# KiCad board GPDI_ULX3S_panel.kicad_pcb (continued)
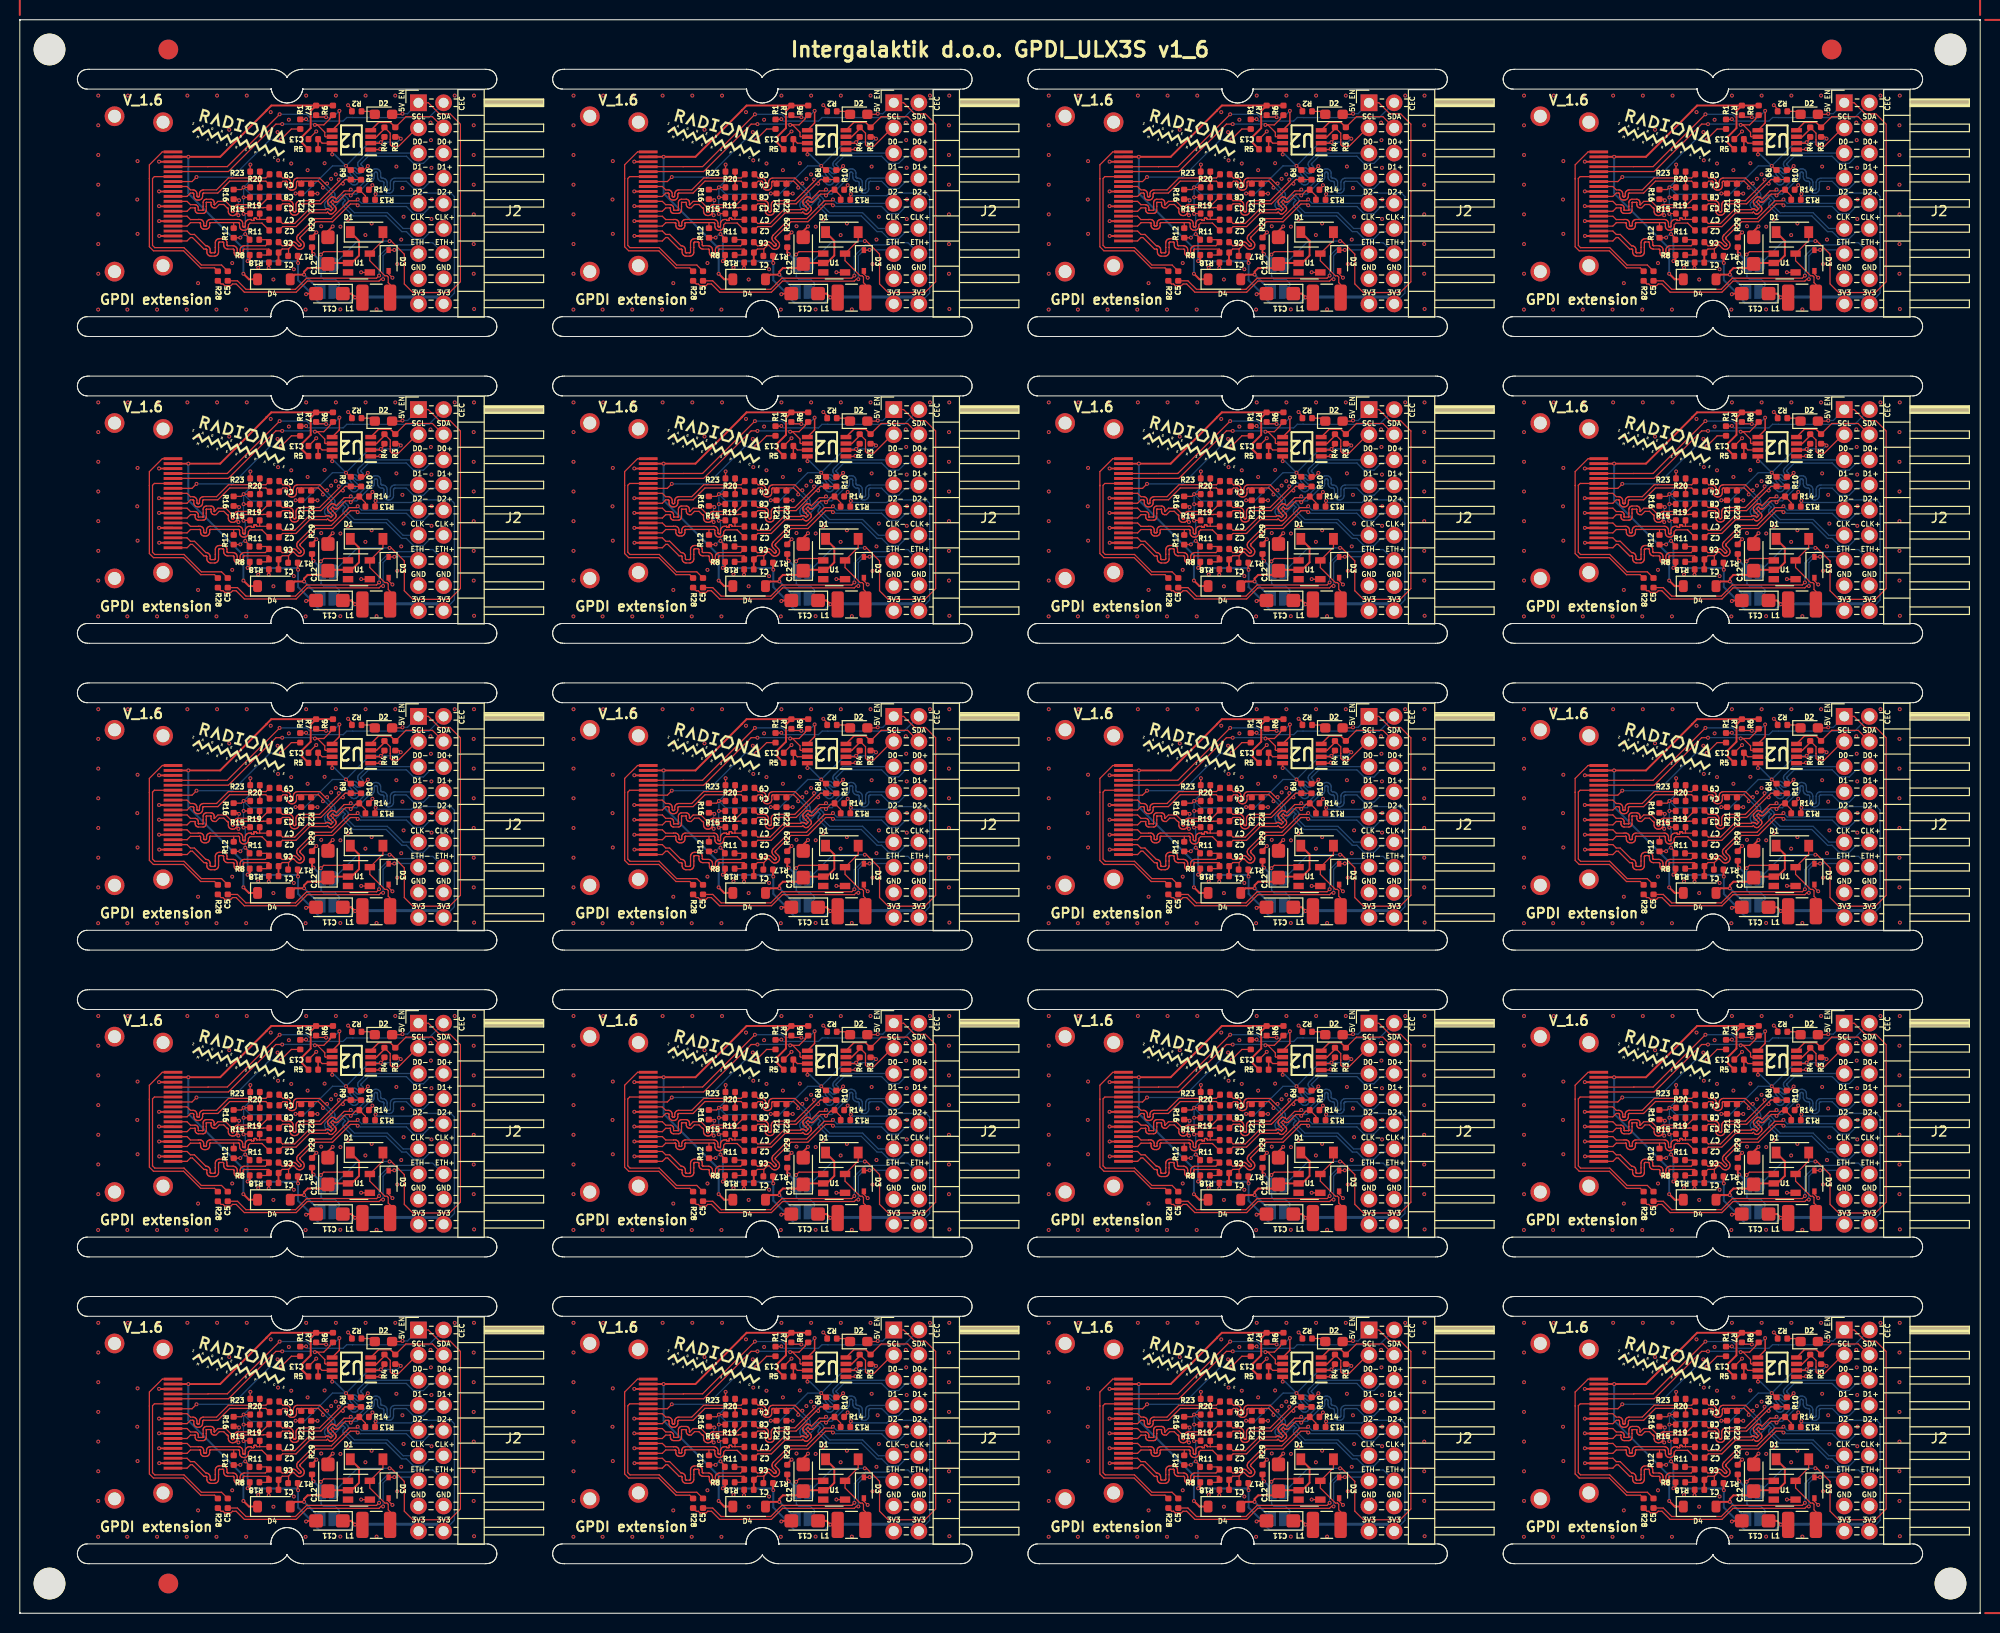
[diagram p0: board, top side]
## Routing (per net, layer and track width the routed paths; a pad name or vN(x,y) marks a point on that pad's centre or on a via; arc(x,y) is an arc through that point) (continued)
Board_5-GPDI_D1-: length 21
  Top w0.127: C7#4.1 74.54,109.42 75.77,109.42 77.16,110.81 78.86,110.81 78.87,110.82 78.92,110.86 78.98,110.89 79.05,110.91 79.12,110.91 79.18,110.89 79.24,110.86 79.3,110.82 79.42,110.7 79.62,110.9 79.4,111.12 79.41,111.13 79.17,111.37 79.13,111.42 79.1,111.48 79.08,111.55 79.08,111.62 79.1,111.68 79.13,111.74 79.17,111.79 79.39,112.02 79.45,112.06 79.51,112.09 79.57,112.11 79.64,112.11 79.71,112.09 79.77,112.06 79.82,112.02 79.94,111.89 80.76,112.71 81.29,112.71 v1(81.42,112.85)
  Bottom w0.127: 88.26,114 85.88,114 85.78,113.98 85.68,113.95 85.6,113.9 85.53,113.82 85.47,113.74 85.44,113.64 85.43,113.54 85.43,112.97 85.42,112.93 85.41,112.89 85.39,112.86 85.36,112.84 85.33,112.82 85.3,112.8 85.26,112.8 85.22,112.8 85.19,112.82 85.16,112.84 85.13,112.86 85.11,112.89 85.1,112.93 85.1,112.97 85.1,113.54 85.08,113.64 85.05,113.74 85,113.82 84.92,113.9 84.84,113.95 84.74,113.98 84.64,114 84.61,114 84.57,114 84.54,114.01 84.51,114.03 84.48,114.06 84.46,114.09 84.45,114.12 84.45,114.16 84.45,114.48 84.43,114.58 84.4,114.68 84.35,114.77 84.27,114.84 84.19,114.89 84.09,114.93 83.99,114.94 83.93,114.94 83.83,114.93 83.73,114.89 83.65,114.84 83.58,114.77 83.52,114.68 83.49,114.58 83.48,114.48 83.48,114.16 83.47,114.12 83.46,114.09 83.44,114.06 83.41,114.03 83.38,114.01 83.35,114 83.31,114 83.18,114 81.89,112.71 81.56,112.71 v1(81.42,112.85)
Board_5-GPDI_D2+: length 22.7
  Top w0.127: R17#19.2 75.14,106.19 75.14,106.84 ; v1(82.12,111.25) 81.99,111.39 81.39,111.39 79.59,109.59 77.89,109.59 76.34,108.04 76.32,108.01 76.3,107.98 76.3,107.95 76.3,107.92 76.3,107.89 76.32,107.86 76.34,107.84 76.6,107.57 76.67,107.49 76.71,107.41 76.73,107.31 76.73,107.21 76.71,107.12 76.67,107.03 76.6,106.96 76.57,106.92 76.49,106.86 76.4,106.82 76.31,106.79 76.21,106.79 76.12,106.82 76.03,106.86 75.96,106.92 75.69,107.19 75.66,107.21 75.63,107.22 75.6,107.23 75.57,107.23 75.54,107.22 75.51,107.21 75.49,107.19 75.14,106.84 ; 75.14,106.84 74.5,106.84 C1#7.1
  Top w0.2: C1#7.1 74.13,106.47 R18#3.1
  Bottom w0.127: J2#6.10 90.48,111.14 89.48,111.14 88.76,110.41 87.76,110.41 87.04,111.14 82.38,111.14 82.27,111.25 v1(82.12,111.25)
Board_5-GPDI_D2-: length 17.8
  Top w0.127: v1(82.12,111.85) 81.99,111.71 81.26,111.71 79.46,109.91 77.76,109.91 76.09,108.24 76.03,108.17 75.99,108.08 75.97,107.98 75.97,107.89 75.99,107.79 76.03,107.71 76.09,107.63 76.36,107.36 76.38,107.34 76.39,107.31 76.4,107.28 76.4,107.25 76.39,107.22 76.38,107.19 76.36,107.16 76.34,107.14 76.31,107.13 76.28,107.12 76.25,107.12 76.21,107.13 76.19,107.14 76.16,107.16 75.89,107.43 75.82,107.49 75.73,107.53 75.64,107.56 75.54,107.56 75.44,107.53 75.36,107.49 75.28,107.43 75.01,107.16 74.5,107.16 C6#9.1
  Bottom w0.127: J2#6.9 82.52,111.45 v1(82.12,111.85)
Board_5-GPDI_ETH+: length 25.7
  Top w0.127: v1(84.29,104.15) 84.03,103.89 76.97,103.89 75.84,102.77 70.84,102.77 69.98,103.62 C5#13.1
  Bottom w0.127: v1(84.29,104.15) 84.29,106.13 85.41,107.25 87.65,107.25 87.87,107.47 89.71,107.47 J2#6.14
Board_5-GPDI_ETH-: length 24.8
  Top w0.127: v1(85.82,106.75) 85.8,106.72 D3#20.1 ; v1(84.69,103.79) 84.48,103.79 84.29,103.6 77.03,103.6 75.91,102.48 70.68,102.48 69.85,103.31 69.48,103.31 69.31,103.14 68.69,103.14 68.52,103.31 68.32,103.31 R28#11.2
  Bottom w0.127: J2#6.13 87.89,106.75 v1(85.83,106.75) 85.27,106.75 84.69,106.16 84.69,103.79 v1(84.69,103.79)
Board_5-GPDI_SCL: length 21.1
  Top w0.127: U2#17.6 78.87,118.18 78.8,118.25 78.8,118.63 78.05,119.38 v1(77.8,119.38) 78.7,119.38 79.32,120 79.32,120.06 R6#3.2 ; v1(74.5,119.46) 73.86,119.46 69.07,114.67 63.48,114.67 P1#4.15
  Bottom w0.127: v1(74.5,119.46) 74.51,119.47 77.71,119.47 v1(77.8,119.38)
Board_5-GPDI_SDA: length 22.8
  Top w0.127: P1#4.16 67.01,115.15 67.02,115.17 68.96,115.17 v1(74.24,120.45) ; v1(78.93,120.16) 78.91,120.18 78.11,120.18 R7#15.2
  Top w0.15: v1(80.28,120.8) 80.28,119.57 U2#17.5
  Bottom w0.127: v1(80.28,120.8) 79.58,120.1 78.99,120.1 v1(78.93,120.16) 78.92,120.17 77.25,120.17 76.97,120.45 v1(74.24,120.45)
Board_5-Net-(D1-A): length 8.1
  Top w0.127: L1#19.2 85.4,103.25 85.21,103.44 85.21,104.01 85.08,104.13 84.87,104.13 83.35,105.66 U1#13.5 84.67,107.7 D1#2.2
Board_5-Net-(D1-K): length 13.2
  Top w0.2: D4.2 75.78,104.25 v1(76.71,104.25) 76.71,104.55 77.07,104.91 78.7,104.91 C12#2.1 79.22,105.42 U1#13.2 81.51,105.42 82.26,106.18 82.26,107.66 D1#2.1
  Bottom w0.2: JP2.1 78.37,102.59 v1(76.71,104.25)
Board_5-Net-(D2-K): length 1.5
  Top w0.127: D2#7.1 83.55,120.75 R2.1
Board_5-Net-(U2-VREF2): length 2.6
  Top w0.127: U2#17.7 78.53,117.53 C13#18.1
  Top w0.15: R5#13.2 C13#18.1
Board_5-PMOD_SCL: length 8.1
  Top w0.127: R4#10.2 85.41,118.55 85.41,117.88 85.41,117.88 85.41,117.38 85.59,117.21 86.25,117.21 88.11,119.08 88.26,119.08 87.88,118.69
  Top w0.15: R4#10.2 84.82,118.98 84.03,118.18 U2#17.3
Board_5-PMOD_SDA: length 8.8
  Top w0.127: 90.8,119.08 89.67,120.21 87,120.21 R3#5.2
  Top w0.15: R3#5.2 85.43,119.63 84.24,119.63 U2#17.4
Board_6-5V_ENABLE: length 54.8
  Top w0.127: D2#20.2 134.59,120.45 v1(134.65,120.51) ; U1#11.1 128.95,106.57 126.7,106.57 v1(126.41,106.28) ; v1(133.34,107.64) 133.51,107.64 134.83,106.32 134.83,103.31 135.7,102.44 139.41,102.44 140.5,103.53 140.5,119.45 139.46,120.49 138.39,120.49 137.26,121.61 J2#5.1 135.8,121.15
  Top w0.2: R29#2.1 125.51,106.48 v1(125.66,106.33)
  Bottom w0.127: v1(134.65,120.51) 135.16,120.51 J2#5.1 ; JP2#19.2 128.26,103.13 128.26,103.39 127.86,103.79 126.68,103.79 126.44,104.03 126.43,104.03 126.43,105.25 JP1#20.2 126.42,106 126.41,106.01 v1(126.41,106.28) ; v1(133.34,107.64) 130.12,107.64 JP1#20.1
  Bottom w0.2: v1(125.66,106.33) 126.42,105.57 JP1#20.2
  Bottom w0.5: JP1#20.2 JP1#20.1
Board_6-+3V3: length 87.4
  Top w0.127: R4#9.1 132.82,117.99 v1(132.47,117.63) ; v1(131.93,112.38) 131.88,112.33 R13#18.1 ; R15#13.1 118.62,110.42 v1(118.59,110.39) ; v1(118.77,108.35) 119.21,107.91 R11#6.1 ; R3#8.1 134.3,118.17 v1(134.47,117.99) ; R19#16.1 v1(118.6,112.06) ; v1(128.94,115.24) 129.36,114.82 R9.1 ; L1#9.1 129.88,101.92 v1(129.86,101.95) ; R12#6.1 118.26,107.97 v1(118.27,107.99) ; R20#13.1 v1(118.6,113.07) 118.38,112.85 R16#20.1 ; v1(119.29,115.37) 119.27,115.35 R23#18.1 ; v1(123.85,112.45) R21#3.1
  Top w0.15: U2#14.2 132.37,117.53 v1(132.47,117.63) ; U2#14.8 127.54,116.41 v1(127.55,116.4)
  Top w0.2: C11#12.1 129.48,102.33 v1(129.86,101.95) ; v1(119.01,105.62) 119.23,105.84 R8#16.1 ; R17#20.1 124.07,105.46 v1(124.1,105.43)
  Bottom w0.127: 138.8,101.3 139.89,102.38 139.89,112.14 139.54,112.5 135.83,112.5 135.56,112.23 132.08,112.23 v1(131.93,112.38) ; v1(118.6,113.07) 119.3,112.37 123.77,112.37 v1(123.85,112.45) 124.79,112.45 127.58,115.24 v1(128.94,115.24) 131.34,117.63 v1(132.47,117.63) 134.12,117.63 v1(134.47,117.99) ; v1(118.6,113.07) v1(118.6,112.06) 118.59,112.05 v1(118.59,110.39) 118.77,110.22 v1(118.77,108.35) 118.63,108.35 v1(118.27,107.99) ; v1(118.6,113.07) 119.29,113.75 v1(119.29,115.37)
  Bottom w0.15: v1(127.55,116.4) 127.78,116.4 v1(128.94,115.24)
  Bottom w0.2: v1(118.77,108.35) 119.01,108.11 v1(119.01,105.62) 119.03,105.6 123.93,105.6 v1(124.1,105.43) 124.1,103.68 125.65,102.14 125.65,102 126.24,101.41 129.32,101.41 v1(129.86,101.95)
  Bottom w0.3: 138.8,101.3 138.11,101.99 129.9,101.99 v1(129.86,101.95)
Board_6-+5V: length 39.3
  Top w0.2: R6.1 R7#2.1 ; R7#2.1 125.38,120.79 125.38,119.06 124.53,118.2 124.53,117.55 R5.1 ; R7#2.1 121.4,121.33 120.92,120.85 120.92,120.83 116.24,116.15 v1(113.02,116.15) P1#10.18 ; v1(118.58,104.34) 119.14,103.78 D4#13.1
  Bottom w0.2: v1(113.02,116.15) 113.02,112.46 118.58,106.9 v1(118.58,104.34)
Board_6-/CEC: length 15.1
  Top w0.127: v1(113.85,114.11) 113.39,113.65 P1#10.13 ; v1(122.37,117.91) 123.43,118.97 R1.1
  Bottom w0.127: v1(122.37,117.91) 121.28,117.91 117.47,114.11 v1(113.85,114.11)
Board_6-/CLK+: length 12.1
  Top w0.127: C4#4.2 120.85,113.7 117.2,113.7 116,112.5 114.58,112.5 114.55,112.49 114.53,112.48 114.51,112.47 114.49,112.45 114.48,112.43 114.47,112.4 114.46,112.38 114.46,112.19 114.45,112.1 114.42,112.02 114.37,111.94 114.31,111.87 114.23,111.82 114.14,111.79 114.05,111.78 113.98,111.78 113.89,111.79 113.8,111.82 113.73,111.87 113.66,111.94 113.61,112.02 113.58,112.1 113.57,112.19 113.57,112.38 113.57,112.4 113.56,112.43 113.55,112.45 113.53,112.47 113.51,112.48 113.48,112.49 113.45,112.5 113.24,112.5 112.89,112.15 P1#10.10
  Top w0.15: R20#13.2 120.24,113.67
Board_6-/CLK-: length 12.2
  Top w0.127: 120.26,114.02 120.24,114.03 R23#18.2 ; 120.26,114.02 120.85,114.02 C9#16.2 ; 120.26,114.02 117.07,114.02 115.87,112.81 114.56,112.81 114.46,112.8 114.38,112.77 114.3,112.72 114.23,112.66 114.19,112.58 114.15,112.49 114.14,112.4 114.14,112.22 114.14,112.19 114.13,112.17 114.12,112.15 114.1,112.13 114.08,112.11 114.05,112.1 114.03,112.1 114.01,112.1 113.98,112.1 113.96,112.11 113.93,112.13 113.92,112.15 113.9,112.17 113.89,112.19 113.89,112.22 113.89,112.4 113.88,112.49 113.85,112.58 113.8,112.66 113.74,112.72 113.66,112.77 113.57,112.8 113.48,112.81 113.24,112.81 112.89,113.15 P1#10.12
Board_6-/D0+: length 15.7
  Top w0.127: 117.86,110.38 117.91,110.46 117.94,110.55 117.95,110.64 117.95,110.88 117.95,110.91 117.96,110.93 117.98,110.96 118,110.98 118.02,110.99 118.05,111 118.08,111.01 118.15,111.01 118.18,111 118.2,110.99 118.23,110.98 118.25,110.96 118.26,110.93 118.27,110.91 118.28,110.88 118.28,110.87 118.28,110.84 118.29,110.82 118.3,110.79 118.32,110.77 118.35,110.76 118.37,110.75 118.4,110.75 118.43,110.75 118.46,110.76 118.48,110.77 118.5,110.79 118.52,110.82 118.53,110.84 118.53,110.87 118.53,110.88 118.53,110.91 118.54,110.93 118.56,110.96 118.58,110.98 118.6,110.99 118.63,111 118.66,111.01 120.57,111.01 120.59,111.03 C3#6.2 ; 117.86,110.38 117.95,110.38 v1(118.08,110.25) ; 117.86,110.38 117.79,110.31 117.71,110.26 117.62,110.23 117.53,110.22 117.48,110.22 117.38,110.23 117.3,110.26 117.22,110.31 117.15,110.38 117.1,110.46 117.07,110.55 117.06,110.64 117.06,110.88 117.05,110.91 117.04,110.93 117.03,110.96 117.01,110.98 116.99,110.99 116.96,111 116.93,111.01 116.6,111.34 116.14,111.34 115.8,111 115.65,111 115.58,111 115.5,111.03 115.44,111.07 115.39,111.12 115.35,111.19 115.32,111.26 115.31,111.33 115.31,111.51 115.31,111.52 115.31,111.53 115.3,111.54 115.3,111.54 115.29,111.55 115.28,111.55 115.27,111.55 114.87,111.55 114.86,111.55 114.85,111.55 114.85,111.54 114.84,111.54 114.84,111.53 114.83,111.52 114.83,111.51 114.83,111.15 114.83,110.78 114.82,110.7 114.8,110.63 114.76,110.57 114.7,110.51 114.64,110.47 114.57,110.45 114.49,110.44 114.05,110.44 113.97,110.45 113.9,110.47 113.84,110.51 113.79,110.57 113.75,110.63 113.72,110.7 113.71,110.78 113.71,110.96 113.71,110.97 113.71,110.97 113.7,110.98 113.7,110.99 113.69,110.99 113.68,110.99 113.67,111 113.24,111 112.89,110.65 P1#10.7 ; R16#20.2 118.03,111.88 v1(118.15,111.76)
  Bottom w0.127: v1(118.15,111.76) 118.08,111.7 v1(118.08,110.25)
Board_6-/D0-: length 14.1
  Top w0.127: P1#10.9 112.89,111.65 113.24,111.31 113.69,111.31 113.77,111.31 113.84,111.28 113.9,111.24 113.96,111.19 114,111.12 114.02,111.05 114.03,110.98 114.03,110.8 114.03,110.79 114.03,110.78 114.04,110.77 114.05,110.77 114.05,110.76 114.06,110.76 114.07,110.76 114.47,110.76 114.48,110.76 114.49,110.76 114.5,110.77 114.5,110.77 114.51,110.78 114.51,110.79 114.51,110.8 114.51,111.15 114.51,111.15 114.51,111.53 114.52,111.61 114.55,111.68 114.59,111.74 114.64,111.8 114.7,111.84 114.78,111.86 114.85,111.87 115.29,111.87 115.37,111.86 115.44,111.84 115.51,111.8 115.56,111.74 115.6,111.68 115.62,111.61 115.63,111.53 115.63,111.35 115.63,111.34 115.64,111.34 115.64,111.33 115.65,111.32 115.65,111.32 115.66,111.32 115.67,111.31 116.01,111.65 116.8,111.65 117.28,111.17 117.33,111.09 117.37,111 117.38,110.91 117.38,110.67 117.38,110.64 117.39,110.61 117.4,110.59 117.42,110.57 117.45,110.55 117.48,110.54 117.5,110.54 117.53,110.54 117.56,110.55 117.58,110.57 117.6,110.59 117.62,110.61 117.63,110.64 117.63,110.67 117.63,110.91 117.64,111 117.67,111.09 117.72,111.17 117.79,111.23 117.87,111.28 117.96,111.31 118.05,111.33 120.39,111.33 C8#12.2 121.13,112.06
  Top w0.15: 120.2,111.33 120.22,111.34 R19#16.2
Board_6-/D1+: length 12.6
  Top w0.127: C2#13.2 120.45,109.46 119.26,109.46 119.09,109.29 119.09,109.15 119.08,109.05 119.05,108.97 119,108.89 118.93,108.82 118.85,108.77 118.76,108.74 118.67,108.73 118.62,108.73 118.52,108.74 118.44,108.77 118.36,108.82 118.29,108.89 118.24,108.97 118.21,109.05 118.2,109.15 118.2,109.38 118.19,109.41 118.18,109.43 118.17,109.46 118.15,109.48 118.13,109.49 118.1,109.5 118.07,109.51 115.27,109.51 115.25,109.5 115.23,109.5 115.21,109.49 115.19,109.47 115.18,109.45 115.18,109.43 115.17,109.41 115.17,109.23 115.16,109.14 115.14,109.06 115.09,108.99 115.03,108.93 114.95,108.88 114.87,108.85 114.79,108.84 114.64,108.84 114.56,108.85 114.48,108.88 114.4,108.93 114.34,108.99 114.29,109.06 114.27,109.14 114.26,109.23 114.26,109.41 114.25,109.43 114.25,109.45 114.24,109.47 114.22,109.49 114.2,109.5 114.18,109.5 114.16,109.51 114.15,109.5 113.24,109.5 112.89,109.15 P1#10.4 ; R12#6.2 117.6,109.49
Board_6-/D1-: length 12.8
  Top w0.127: R15#13.2 120.23,109.83 ; 120.23,109.83 121.16,109.83 C7#8.2 ; 120.23,109.83 119.97,109.83 119.95,109.83 119.94,109.83 119.92,109.84 119.91,109.85 119.9,109.87 119.9,109.88 119.9,109.91 119.89,109.93 119.88,109.94 119.87,109.96 119.86,109.96 119.84,109.97 119.82,109.97 119.72,109.97 119.7,109.97 119.68,109.96 119.67,109.96 119.66,109.94 119.65,109.93 119.65,109.91 119.64,109.9 119.64,109.78 119.64,109.76 119.64,109.75 119.63,109.74 119.62,109.74 119.61,109.73 119.6,109.73 119.59,109.73 119.44,109.73 119.43,109.73 119.42,109.73 119.41,109.74 119.4,109.74 119.39,109.75 119.39,109.76 119.39,109.79 119.38,109.8 119.38,109.81 119.37,109.81 119.36,109.82 119.35,109.82 119.34,109.83 119.19,109.83 119.1,109.81 119.01,109.78 118.93,109.73 118.86,109.67 118.81,109.59 118.78,109.5 118.77,109.41 118.77,109.17 118.77,109.15 118.76,109.12 118.74,109.09 118.72,109.07 118.7,109.06 118.67,109.05 118.64,109.05 118.62,109.05 118.59,109.06 118.56,109.07 118.54,109.09 118.53,109.12 118.52,109.15 118.52,109.17 118.52,109.41 118.51,109.5 118.47,109.59 118.42,109.67 118.36,109.73 118.28,109.78 118.19,109.81 118.1,109.83 115.24,109.83 115.16,109.82 115.08,109.79 115,109.74 114.94,109.68 114.89,109.61 114.87,109.52 114.86,109.44 114.86,109.25 114.85,109.23 114.85,109.21 114.84,109.2 114.82,109.18 114.8,109.17 114.78,109.16 114.76,109.16 114.67,109.16 114.65,109.16 114.63,109.17 114.61,109.18 114.59,109.2 114.58,109.21 114.58,109.23 114.57,109.25 114.57,109.44 114.56,109.52 114.54,109.61 114.49,109.68 114.43,109.74 114.35,109.79 114.27,109.82 114.19,109.83 114.03,109.83 114.02,109.81 113.24,109.81 112.89,110.15 P1#10.6
Board_6-/D2+: length 15
  Top w0.127: P1#10.1 112.89,107.65 113.24,108 113.43,108 114.6,106.83 114.78,106.83 114.81,106.83 114.83,106.82 114.85,106.81 114.87,106.79 114.88,106.77 114.89,106.75 114.89,106.73 114.89,106.53 114.9,106.44 114.93,106.35 114.98,106.27 115.05,106.21 115.13,106.16 115.21,106.13 115.31,106.12 115.66,106.12 115.75,106.13 115.84,106.16 115.92,106.21 115.98,106.27 116.03,106.35 116.06,106.44 116.07,106.53 116.07,107 116.07,107 116.07,107.44 116.08,107.47 116.09,107.49 116.1,107.51 116.11,107.53 116.14,107.54 116.16,107.55 116.18,107.55 116.48,107.55 116.51,107.55 116.53,107.54 116.55,107.53 116.57,107.51 116.58,107.49 116.59,107.47 116.59,107.44 116.59,107.25 116.6,107.16 116.63,107.07 116.68,106.99 116.75,106.92 116.83,106.88 116.91,106.84 117.01,106.83 117.56,106.83 117.59,106.82 117.61,106.79 117.63,106.77 117.64,106.74 117.64,106.71 117.64,106.5 117.66,106.4 117.69,106.31 117.74,106.23 117.81,106.16 117.89,106.1 117.98,106.07 118.08,106.06 118.13,106.06 118.23,106.07 118.32,106.1 118.4,106.16 118.47,106.23 118.52,106.31 118.56,106.4 118.57,106.5 118.57,106.71 118.57,106.74 118.58,106.77 118.6,106.79 118.62,106.82 118.65,106.83 121.14,106.83 121.17,106.8 C1#14.2 120.92,106.23 R8#16.2
Board_6-/D2-: length 14.8
  Top w0.127: R11#6.2 120.91,107.78 C6#16.2 120.8,107.17 118.68,107.17 118.59,107.16 118.49,107.12 118.41,107.07 118.34,107 118.29,106.92 118.26,106.83 118.25,106.73 118.25,106.52 118.24,106.49 118.23,106.46 118.22,106.43 118.19,106.41 118.17,106.39 118.14,106.38 118.11,106.38 118.07,106.38 118.04,106.39 118.02,106.41 117.99,106.43 117.98,106.46 117.97,106.49 117.96,106.52 117.96,106.73 117.95,106.83 117.92,106.92 117.87,107 117.8,107.07 117.72,107.12 117.63,107.16 117.53,107.17 117.03,107.17 117.01,107.17 116.99,107.18 116.96,107.19 116.95,107.21 116.94,107.23 116.93,107.25 116.92,107.27 116.92,107.47 116.91,107.56 116.88,107.65 116.83,107.73 116.77,107.79 116.69,107.84 116.6,107.87 116.51,107.88 116.16,107.88 116.06,107.87 115.98,107.84 115.9,107.79 115.83,107.73 115.78,107.65 115.75,107.56 115.74,107.47 115.74,107 115.74,106.56 115.74,106.54 115.73,106.51 115.72,106.49 115.7,106.48 115.68,106.46 115.66,106.45 115.63,106.45 115.33,106.45 115.31,106.45 115.28,106.46 115.26,106.48 115.25,106.49 115.23,106.51 115.23,106.54 115.22,106.56 115.22,106.75 115.21,106.84 115.18,106.93 115.13,107.01 115.07,107.08 114.99,107.13 114.9,107.16 114.81,107.17 114.78,107.17 113.63,108.31 113.24,108.31 112.89,108.65 P1#10.3
Board_6-/ETH+: length 17.6
  Top w0.127: P1#10.14 109.59,114.15 109.4,113.97 109.4,107.2 109.63,106.98 112.58,106.98 114.34,105.22 116.38,105.22 C5#16.2
Board_6-/ETH-: length 19.2
  Top w0.127: 109.09,113.93 109.09,107.07 109.5,106.66 112.54,106.66 114.27,104.93 115.67,104.93 R28#18.1 ; 109.09,113.93 109.09,113.97 ; 109.09,113.93 109.09,115.35 110.39,116.65 P1#10.19
Board_6-GND: length 17.5
  Top w0.127: R10#4.2 130.75,114.82 v1(131.15,115.22) ; v1(133.63,103.94) 133.25,104.33 D3#5.2 ; v1(131.61,113.29) 131.61,113.19 R14#2.2 ; C13#9.2 125.94,118.72 v1(125.94,118.72) ; v1(130.47,104.49) 130.49,104.47 U1#11.4 ; v1(126.07,112.44) 126.07,112.44 R22.2 ; R2#12.2 129.54,120.98 v1(129.15,121.37)
  Top w0.15: v1(132.4,116.94) 132.35,116.88 U2#14.1
  Top w0.2: v1(110.06,112.66) 110.07,112.65 P1#10.11 ; v1(127.6,109.12) 127.12,108.64 C12#4.2 ; R29#2.2 125.51,108.08 v1(125.95,108.52) ; P1#10.17 110.07,115.65 v1(110.06,115.67) ; v1(124.91,102.27) 124.97,102.33 C11#12.2 ; P1#10.2 110.08,108.15 v1(110.08,108.16) ; v1(110.06,111.18) 110.08,111.15 P1#10.8 ; v1(121.14,104.93) 121.16,104.94 R18#11.2 ; v1(110.07,109.66) 110.08,109.65 P1#10.5
  In1.Cu w0.5: 136.38,103.72 J2#5.15
  vias: v1(103.92,122.34) v1(103.92,119.34) v1(103.92,116.34) v1(103.92,113.34) v1(103.92,110.34) v1(103.92,107.34) v1(103.92,104.34) v1(103.91,100.72) v1(106.92,122.34) v1(106.86,100.72) v1(107.89,115.72) v1(107.86,111.84) v1(107.89,108.37) v1(109.92,122.34) v1(109.86,100.72) v1(112.92,122.34) v1(112.86,100.72) v1(114.02,118.97) v1(114,103.39) v1(115.92,122.34) v1(115.86,100.72) v1(117.15,118.89) v1(117.45,105.42) v1(118.92,122.34) v1(118.86,100.72) v1(120.08,104.94) v1(121.34,120.67) v1(121.61,103.76) v1(122.03,118.65) v1(122.08,115.8) v1(123.17,119.9) v1(123.41,115.48) v1(123.68,104.79) v1(124.92,122.34) v1(124.86,100.72) v1(125.07,114.81) v1(126.44,109.14) v1(126.78,115.51) v1(127.44,113.93) v1(127.92,122.34) v1(127.91,114.38) v1(128.38,109.1) v1(128.37,100.74) v1(129.14,109.81) v1(130.92,122.34) v1(130.9,108.25) v1(131.53,109.42) v1(132.03,100.74) v1(133.92,122.34) v1(134.03,115.17) v1(134.12,105.32) v1(134.52,107.79) v1(134.64,113) v1(134.76,110.1) v1(137.48,119.61) v1(137.52,117.84) v1(137.57,115.05) v1(137.6,111.85) v1(137.58,109.87) v1(139.92,122.34) v1(141.84,119.34) v1(141.84,116.34) v1(141.84,113.34) v1(141.84,110.34) v1(141.84,107.34) v1(141.84,104.34) v1(141.87,122.34) v1(141.88,100.78)
Board_6-GPDI_CEC: length 15.3
  Top w0.127: v1(124.91,119.96) 124.89,119.94 R1.2
  Bottom w0.127: J2#5.2 137.31,120.12 129.61,120.12 129.6,120.13 129.02,120.13 128.66,119.77 125.1,119.77 v1(124.91,119.96)
Board_6-GPDI_CLK+: length 24.8
  Top w0.127: 124.44,113.69 124.42,113.67 R21#3.2 ; 124.44,113.69 125.43,113.69 ; 124.44,113.69 124.09,113.69 124.06,113.69 124.03,113.68 124,113.66 123.98,113.64 123.96,113.61 123.95,113.58 123.95,113.55 123.95,113.22 123.94,113.12 123.9,113.03 123.85,112.95 123.78,112.88 123.7,112.83 123.61,112.8 123.51,112.79 123.46,112.79 123.36,112.8 123.27,112.83 123.19,112.88 123.12,112.95 123.07,113.03 123.04,113.12 123.03,113.22 123.03,113.55 123.02,113.58 123.01,113.61 123,113.64 122.97,113.66 122.95,113.68 122.92,113.69 122.89,113.69 122.57,113.69 C4#4.1 ; v1(126.62,113.04) 126.62,113.23 126.16,113.69 125.43,113.69 ; R22.1 125.43,113.69
  Bottom w0.127: v1(126.62,113.04) 126.81,113.04 127.46,112.39 127.48,112.36 127.49,112.33 127.5,112.29 127.5,112.26 127.49,112.22 127.48,112.19 127.46,112.16 126.91,111.61 126.85,111.53 126.8,111.44 126.78,111.34 126.78,111.24 126.8,111.14 126.85,111.05 126.91,110.97 126.95,110.93 127.03,110.86 127.12,110.82 127.22,110.8 127.32,110.8 127.42,110.82 127.51,110.86 127.59,110.93 128.62,111.95 128.63,111.96 128.63,111.96 128.64,111.96 128.65,111.96 128.65,111.96 128.66,111.96 128.67,111.95 128.85,111.77 128.86,111.76 128.86,111.75 128.86,111.75 128.86,111.74 128.86,111.73 128.86,111.72 128.85,111.72 128.73,111.59 128.68,111.53 128.65,111.47 128.63,111.39 128.63,111.32 128.65,111.25 128.68,111.18 128.73,111.12 129.66,110.19 132.99,110.19 134.58,108.6 135.04,108.6 135.76,107.87 136.76,107.87 137.48,108.6 138.48,108.6 138.8,108.92
Board_6-GPDI_CLK-: length 21
  Top w0.127: v1(127.03,113.46) 126.84,113.46 126.29,114.01 124.06,114.01 123.96,114 123.87,113.97 123.79,113.92 123.72,113.85 123.67,113.77 123.64,113.68 123.63,113.58 123.63,113.25 123.62,113.21 123.61,113.18 123.6,113.16 123.57,113.14 123.55,113.12 123.52,113.11 123.49,113.1 123.46,113.11 123.43,113.12 123.4,113.14 123.38,113.16 123.36,113.18 123.35,113.21 123.35,113.25 123.35,113.58 123.34,113.68 123.3,113.77 123.25,113.85 123.18,113.92 123.1,113.97 123.01,114 122.91,114.01 122.57,114.01 C9#16.1
  Bottom w0.127: 136.26,108.92 134.71,108.92 133.12,110.51 129.79,110.51 128.97,111.33 128.96,111.34 128.96,111.35 128.96,111.35 128.96,111.36 128.96,111.37 128.96,111.37 128.97,111.38 129.09,111.51 129.14,111.57 129.17,111.63 129.19,111.71 129.19,111.78 129.17,111.85 129.14,111.92 129.09,111.98 128.88,112.19 128.82,112.24 128.75,112.27 128.68,112.29 128.61,112.29 128.53,112.27 128.47,112.24 128.41,112.19 127.39,111.17 127.36,111.15 127.33,111.13 127.29,111.13 127.25,111.13 127.22,111.13 127.18,111.15 127.15,111.17 127.13,111.2 127.12,111.24 127.11,111.27 127.11,111.31 127.12,111.34 127.13,111.38 127.15,111.41 127.7,111.95 127.76,112.03 127.81,112.13 127.83,112.23 127.83,112.33 127.81,112.43 127.76,112.52 127.7,112.6 127.03,113.27 v1(127.03,113.46)
Board_6-GPDI_D0+: length 26.3
  Top w0.127: R10#4.1 130.46,113.85 R9.2 128.86,113.85 128.63,113.63 v1(128.63,113.44) 128.44,113.44 126.4,111.4 124.35,111.4 124.32,111.4 124.29,111.39 124.26,111.37 124.24,111.35 124.23,111.32 124.22,111.29 124.21,111.26 124.21,110.69 124.2,110.59 124.17,110.5 124.12,110.42 124.05,110.35 123.97,110.3 123.88,110.27 123.78,110.26 123.73,110.26 123.63,110.27 123.54,110.3 123.46,110.35 123.39,110.42 123.34,110.5 123.3,110.59 123.29,110.69 123.29,111.26 123.29,111.29 123.28,111.32 123.26,111.35 123.24,111.37 123.21,111.39 123.18,111.4 123.15,111.4 122.53,111.4 C3#6.1
  Bottom w0.127: v1(128.63,113.44) 128.63,113.63 128.85,113.85 128.87,113.87 128.9,113.88 128.93,113.89 128.96,113.89 128.99,113.88 129.02,113.87 129.05,113.85 129.46,113.43 129.54,113.37 129.62,113.33 129.72,113.31 129.82,113.31 129.91,113.33 130,113.37 130.07,113.43 130.11,113.47 130.17,113.55 130.21,113.63 130.24,113.73 130.24,113.83 130.21,113.92 130.17,114.01 130.11,114.08 129.7,114.5 129.68,114.52 129.66,114.55 129.66,114.58 129.66,114.61 129.66,114.64 129.68,114.67 129.7,114.7 129.71,114.71 129.73,114.72 129.75,114.72 129.77,114.72 129.79,114.72 129.81,114.71 129.82,114.7 129.95,114.57 130.02,114.51 130.1,114.48 130.18,114.46 130.27,114.46 130.35,114.48 130.43,114.51 130.5,114.57 130.6,114.67 130.66,114.74 130.7,114.82 130.71,114.9 130.71,114.99 130.7,115.07 130.66,115.15 130.6,115.22 130.47,115.35 130.46,115.36 130.45,115.38 130.45,115.4 130.45,115.42 130.45,115.44 130.46,115.46 130.47,115.47 131.22,116.22 135.04,116.22 135.76,115.49 136.76,115.49 137.48,116.22 138.48,116.22 J2#5.6
Board_6-GPDI_D0-: length 20.9
  Top w0.127: v1(128.22,113.86) 128.22,113.67 126.27,111.72 124.33,111.72 124.23,111.71 124.14,111.68 124.06,111.63 123.99,111.56 123.94,111.48 123.9,111.39 123.89,111.29 123.89,110.72 123.89,110.69 123.88,110.66 123.86,110.63 123.84,110.61 123.81,110.59 123.78,110.58 123.75,110.58 123.72,110.58 123.69,110.59 123.66,110.61 123.64,110.63 123.63,110.66 123.62,110.69 123.61,110.72 123.61,111.29 123.6,111.39 123.57,111.48 123.52,111.56 123.45,111.63 123.37,111.68 123.28,111.71 123.18,111.72 122.53,111.72 C8#12.1
  Bottom w0.127: J2#5.5 131.08,116.53 130.23,115.68 130.18,115.62 130.14,115.54 130.12,115.45 130.12,115.37 130.14,115.28 130.18,115.21 130.23,115.14 130.36,115.01 130.37,114.99 130.38,114.97 130.39,114.95 130.39,114.93 130.38,114.91 130.37,114.9 130.36,114.88 130.29,114.81 130.28,114.8 130.26,114.79 130.24,114.78 130.22,114.78 130.2,114.79 130.18,114.8 130.16,114.81 130.03,114.94 129.97,114.99 129.89,115.03 129.8,115.05 129.72,115.05 129.63,115.03 129.56,114.99 129.49,114.94 129.45,114.9 129.39,114.83 129.35,114.74 129.33,114.65 129.33,114.55 129.35,114.45 129.39,114.37 129.45,114.29 129.87,113.88 129.89,113.85 129.9,113.82 129.91,113.79 129.91,113.76 129.9,113.73 129.89,113.7 129.87,113.68 129.84,113.66 129.81,113.64 129.78,113.64 129.75,113.64 129.72,113.64 129.69,113.66 129.67,113.68 129.25,114.09 129.18,114.15 129.09,114.19 129,114.22 128.9,114.22 128.8,114.19 128.72,114.15 128.64,114.09 128.41,113.86 v1(128.22,113.86)